# KiCad board Azimuth_PCB (1).kicad_pcb (continued)
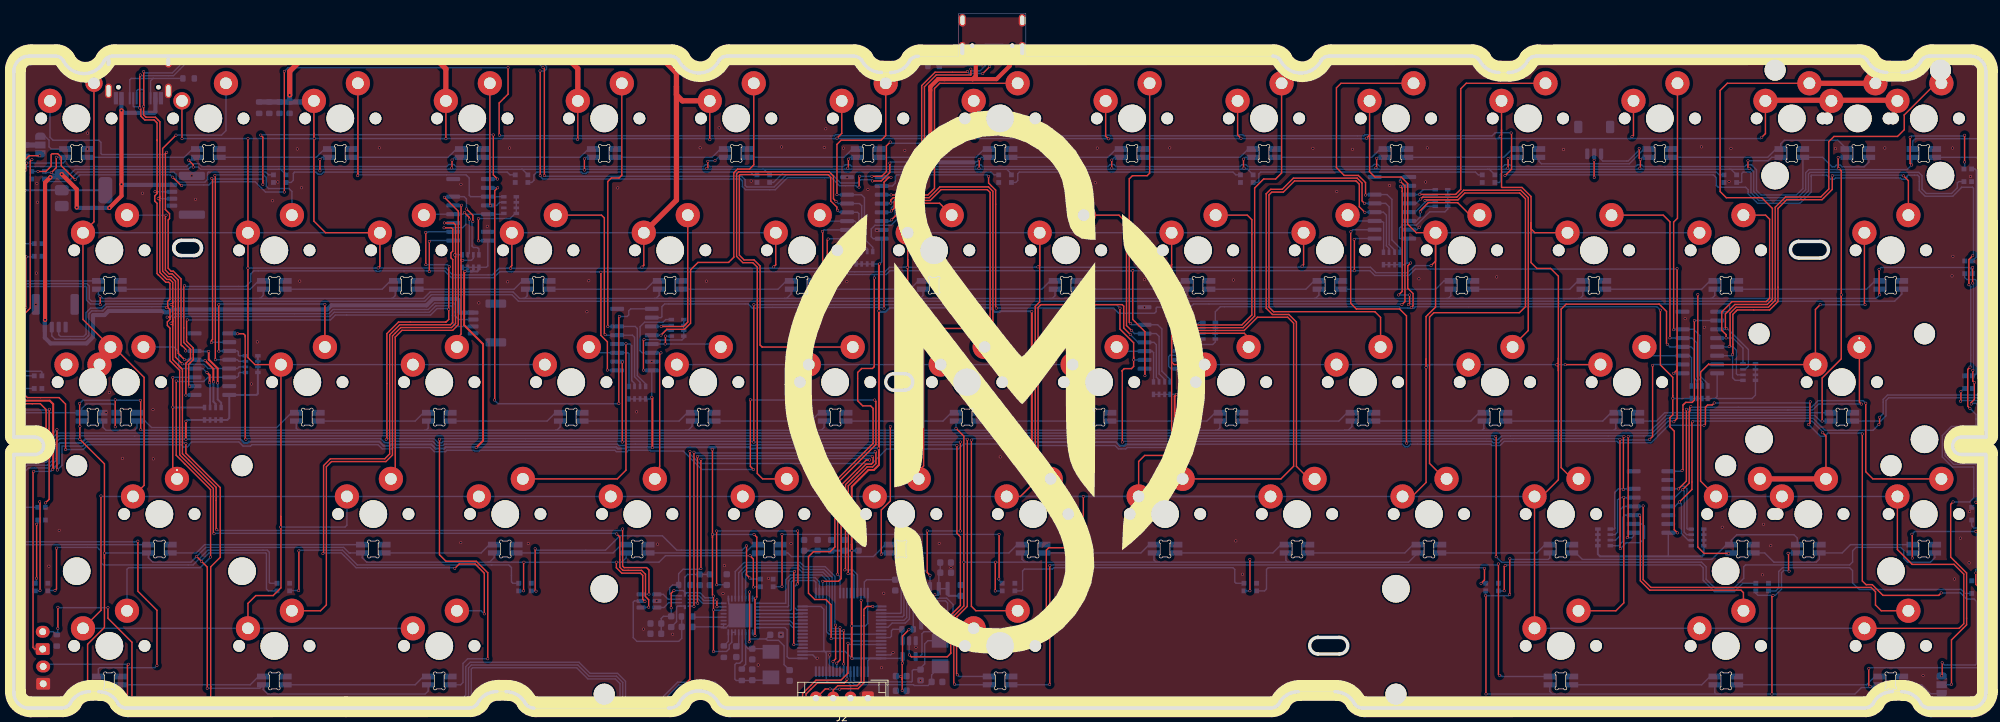
[diagram p0: board, top side]
## Footprints (pads in the part's own frame, mm; a bottom-side part is the same pattern mirrored in y, then rotated) (continued)
  rrect 1.325x0.6 smd: 1(-1.137,0.95) 2(-1.137,0) 3(-1.137,-0.95) 4(1.137,-0.95) 5(1.137,0.95)
SOT-23-6
  rrect 1.325x0.6 smd: 1(-1.137,0.95) 2(-1.137,0) 3(-1.137,-0.95) 4(1.137,-0.95) 5(1.137,0) 6(1.137,0.95)
SOT-223-3_TabPin2
  rrect 2x1.5 smd: 1(-3.15,2.3) 2(-3.15,0) 3(-3.15,-2.3)
  rrect 2x3.8 smd: 2(3.15,0)
UQFN-10
  rrect 0.55x0.25 smd: 1(-0.675,0.75) 4(-0.675,-0.75) 6(0.675,-0.75) 9(0.675,0.75)
  rrect 0.55x0.2 smd: 2(-0.675,0.25) 3(-0.675,-0.25) 7(0.675,-0.25) 8(0.675,0.25)
  rrect 0.3x0.6 smd: 5(0,-0.9) 10(0,0.9)
USB_C_Receptacle_GCT_USB4105-xx-A_16P_TopMnt_Horizontal
  round 0.65 hole 0.65 unplated: (-2.89,2.605) (2.89,2.605)
  rrect 0.6x1.15 smd: A1(-3.2,3.68) A4(-2.4,3.68) A9(2.4,3.68) A12(3.2,3.68) B1(3.2,3.68) B4(2.4,3.68) B9(-2.4,3.68) B12(-3.2,3.68)
  rrect 0.3x1.15 smd: A5(-1.25,3.68) A6(-0.25,3.68) A7(0.25,3.68) A8(1.25,3.68) B5(1.75,3.68) B6(0.75,3.68) B7(-0.75,3.68) B8(-1.75,3.68)
  oval 1x1.8 hole 0.6x1.4: S1(-4.32,-1.075) S1(4.32,-1.075)
  oval 1x2.1 hole 0.6x1.7: S1(-4.32,3.105) S1(4.32,3.105)
USB_C_Receptacle_HRO_TYPE-C-31-M-12
  round 0.65 hole 0.65 unplated: (-2.89,2.6) (2.89,2.6)
  rect 0.6x1.76 smd: A1(-3.25,4.2) A4(-2.45,4.2) B1(3.25,4.2) B4(2.45,4.2)
  rect 0.3x1.76 smd: A5(-1.25,4.2) A6(-0.25,4.2) A7(0.25,4.2) B5(1.75,4.2) B6(0.75,4.2) B7(-0.75,4.2)
  rect 0.6x1.45 smd: A9(2.45,4.045) A12(3.25,4.045) B9(-2.45,4.045) B12(-3.25,4.045)
  oval 1x1.6 hole 0.6x1.2: S1(-4.32,-1.05) S1(4.32,-1.05)
  oval 1x2.1 hole 0.6x1.7: S1(-4.32,3.13) S1(4.32,3.13)

## Nets
+3.3V: C5.1 C6.1 C7.1 C8.1 C9.1 C10.1 C11.1 C12.1 C13.1 C14.1 C15.1 C16.1 C17.1 C18.2 C25.2 J2.2 R2.1 RN1.1 RN1.2 RN1.3 RN1.4 RN2.1 RN2.2 RN2.3 RN2.4 RN3.1 RN3.2 RN3.3 RN3.4 RN4.1 RN4.2 RN4.3 RN4.4 RN5.1 RN5.2 RN5.3 RN5.4 RN6.1 RN6.2 RN6.3 RN6.4 RN7.1 RN7.2 RN7.3 RN7.4 RN8.1 RN8.2 RN8.3 RN8.4 RN9.1 RN9.2 RN9.3 RN9.4 RN10.1 RN10.2 RN10.3 RN10.4 RN11.1 RN11.2 RN11.3 RN11.4 RN12.1 RN12.2 RN12.3 RN12.4 RN13.1 RN13.2 RN13.3 RN13.4 RN14.1 RN14.2 RN14.3 RN14.4 RN15.1 RN15.2 RN15.3 RN15.4 RN16.1 RN16.2 RN16.3 RN16.4 SWboot2.1 U1.1 U1.13 U1.19 U1.32 U1.48 U1.64 U2.5 U3.16 U4.2 U5.10 U7.6 U7.16 U7.25 U7.30 U7.31 U8.3 U8.7 U8.8 U9.16 U10.16 U11.16 U12.16 U13.16 U14.16 U15.16
+5V: C19.2 Drgb1.1 Drgb2.1 Drgb3.1 Drgb4.1 Drgb5.1 Drgb6.1 Drgb7.1 Drgb8.1 Drgb9.1 Drgb10.1 Drgb11.1 Drgb12.1 Drgb13.1 Drgb14.1 Drgb15.1 Drgb16.1 Drgb17.1 Drgb18.1 Drgb19.1 Drgb20.1 Drgb21.1 Drgb22.1 Drgb23.1 Drgb24.1 J1.1 J3.3 J4.A4 J4.A9 J4.B4 J4.B9 J4#2.A4 J4#2.A9 J4#2.B4 J4#2.B9 J5.1 J6.1 R5.1 SW1.6 SW2.6 SW3.6 SW4.6 SW5.6 SW6.6 SW7.6 SW8.6 SW9.6 SW10.6 SW11.6 SW12.6 SW13.6 SW14.6 SW15.6 SW16.6 SW17.6 SW18.6 SW19.6 SW20.6 SW21.6 SW22.6 SW23.6 SW24.6 SW25.6 SW26.6 SW27.6 SW28.6 SW29.6 SW30.6 SW31.6 SW32.6 SW33.6 SW34.6 SW35.6 SW36.6 SW37.6 SW38.6 SW39.6 SW40.6 SW41.6 SW42.6 SW43.6 SW44.6 SW45.6 SW46.6 SW47.6 SW48.6 SW49.6 SW50.6 SW51.6 SW52.6 SW53.6 SW54.6 SW55.6 SW56.6 SW57.6 SW58.6 SW59.6 SW60.6 SW61.6 SW62.6 SW2000.6 SW2001.6 SW2002.6 U4.3 U6.5
GND: C1.2 C2.2 C3.1 C4.1 C5.2 C6.2 C7.2 C8.2 C9.2 C10.2 C11.2 C12.2 C13.2 C14.2 C15.2 C16.2 C17.2 C18.1 C19.1 C20.1 C21.1 C22.2 C23.2 C24.2 C25.1 Drgb1.3 Drgb2.3 Drgb3.3 Drgb4.3 Drgb5.3 Drgb6.3 Drgb7.3 Drgb8.3 Drgb9.3 Drgb10.3 Drgb11.3 Drgb12.3 Drgb13.3 Drgb14.3 Drgb15.3 Drgb16.3 Drgb17.3 Drgb18.3 Drgb19.3 Drgb20.3 Drgb21.3 Drgb22.3 Drgb23.3 Drgb24.3 J1.4 J2.1 J3.1 J4.A1 J4.A12 J4.B1 J4.B12 J4.S1 J4#2.A1 J4#2.A12 J4#2.B1 J4#2.B12 J4#2.S1 J5.4 J6.4 R1.1 R3.2 R4.2 R7.2 R16.1 R17.1 R18.1 R19.1 R20.2 SW1.3 SW2.3 SW3.3 SW4.3 SW5.3 SW6.3 SW7.3 SW8.3 SW9.3 SW10.3 SW11.3 SW12.3 SW13.3 SW14.3 SW15.3 SW16.3 SW17.3 SW18.3 SW19.3 SW20.3 SW21.3 SW22.3 SW23.3 SW24.3 SW25.3 SW26.3 SW27.3 SW28.3 SW29.3 SW30.3 SW31.3 SW32.3 SW33.3 SW34.3 SW35.3 SW36.3 SW37.3 SW38.3 SW39.3 SW40.3 SW41.3 SW42.3 SW43.3 SW44.3 SW45.3 SW46.3 SW47.3 SW48.3 SW49.3 SW50.3 SW51.3 SW52.3 SW53.3 SW54.3 SW55.3 SW56.3 SW57.3 SW58.3 SW59.3 SW60.3 SW61.3 SW62.3 SW2000.3 SW2001.3 SW2002.3 SWboot1.1 U1.12 U1.18 U1.63 U2.3 U3.8 U3.15 U4.1 U5.5 U5.6 U6.2 U7.1 U7.2 U7.9 U7.33 U8.4 U9.8 U9.15 U10.8 U10.15 U11.8 U11.15 U12.8 U12.15 U13.8 U13.15 U14.8 U14.15 U15.8 U15.15
GND1: R16.2 R17.2 R18.2 R19.2 SW1.2 SW2.1 SW3.1 SW4.1 SW5.1 SW6.1 SW7.1 SW8.1 SW9.1 SW10.1 SW11.1 SW12.1 SW13.1 SW14.1 SW15.1 SW16.1 SW17.1 SW18.1 SW19.1 SW20.1 SW21.1 SW22.1 SW23.1 SW24.1 SW25.1 SW26.1 SW27.1 SW28.1 SW29.1 SW30.1 SW31.1 SW32.1 SW33.1 SW34.1 SW35.1 SW36.1 SW37.1 SW38.1 SW39.1 SW40.1 SW41.1 SW42.1 SW43.1 SW44.1 SW45.1 SW46.1 SW47.1 SW48.1 SW49.1 SW50.1 SW51.1 SW52.1 SW53.1 SW54.1 SW55.1 SW56.1 SW57.1 SW58.1 SW59.1 SW60.1 SW61.1 SW62.1 SW2000.1 SW2001.1 SW2002.2
0: RN11.8 SW11.2 U14.6
1: RN1.6 SW2.2 U3.13
2: RN4.8 SW3.2 U9.11
3: RN4.7 SW4.2 U9.12
4: RN6.8 SW5.2 U10.6
5: RN5.6 SW6.2 U10.12
6: RN8.8 SW7.2 U11.6
7: RN7.8 SW8.2 U11.11
8: RN9.8 SW9.2 U12.6
9: RN10.7 SW10.2 U12.12
165_CS: R2.2 U1.58 U2.1
': RN14.5 SW40.2 U15.3
,: RN11.7 SW51.2 U14.5
-: RN12.8 SW12.2 U14.11
.: RN12.6 SW52.2 U14.13
/: RN14.6 SW53.2 U15.4
;: RN12.7 SW39.2 U14.12
=: RN14.8 SW13.2 U15.6
[: RN14.7 SW26.2 U15.5
\: RN13.5 SW28.2 U15.14
]: RN13.8 SW27.2 U15.12
a: RN1.8 SW30.2 U3.11
b: RN7.6 SW48.2 U11.13
backspace: RN13.7 SW14.2 SW2000.2 U15.11
backspace2: RN13.6 SW42.2 U15.13
c: RN5.8 SW46.2 U10.14
cap: RN2.6 SW29.2 U3.4
CLK: U1.21 U7.14
d: RN6.5 SW32.2 U10.3
D+_FS: U1.45 U5.3
D-_FS: U1.44 U5.4
Data0: U1.17 U7.24
Data1: U1.26 U7.23
Data2: U1.27 U7.22
Data3: U1.29 U7.21
Data4: U1.30 U7.20
Data5: U1.33 U7.19
Data6: U1.34 U7.18
Data7: U1.57 U7.17
DIR: U1.10 U7.12
e: RN6.7 SW18.2 U10.5
EEPROM: U1.55 U8.1
enter: RN16.8 SW41.2 U13.11
esc: RN2.8 SW1.1 U3.6
f: RN5.5 SW33.2 U10.13
fn: RN16.7 SW55.2 U13.12
g: RN8.6 SW34.2 U11.4
h: RN7.7 SW35.2 U11.12
i: RN10.8 SW23.2 U12.11
j: RN9.5 SW36.2 U12.3
jump1: JP1.3 JP2.3
k: RN10.5 SW37.2 U12.14
l: RN11.6 SW38.2 U14.4
lalt: RN4.5 SW58.2 U9.13
LATCH: U1.59 U3.1 U9.1 U10.1 U11.1 U12.1 U13.1 U14.1 U15.1
lctrl: RN1.5 SW56.2 U3.14
lshift: RN2.5 SW43.2 U3.3
lwin: RN3.5 SW57.2 U9.3
m: RN10.6 SW50.2 U12.13
matrix: JP1.1 SW1.4
matrix1: JP2.1 SW62.5
MISO: U1.52 U2.4 U8.2
MOSI: U1.53 U8.5
n: RN9.6 SW49.2 U12.4
NXT: U1.11 U7.11
o: RN11.5 SW24.2 U14.3
p: RN12.5 SW25.2 U14.14
q: RN1.7 SW16.2 U3.12
r: RN5.7 SW19.2 U10.11
ralt: RN15.6 SW60.2 U13.5
rctrl: RN15.7 SW62.2 U13.4
RGB: JP1.2 R15.1
rshift: RN16.6 SW54.2 SW2001.2 U13.13
RST: SWboot1.2 U1.7
rwin: RN15.8 SW61.2 U13.3
s: RN3.7 SW31.2 U9.5
SCK: U1.51 U3.2 U8.6 U9.2 U10.2 U11.2 U12.2 U13.2 U14.2 U15.2
space: RN15.5 SW59.2 U13.6
SR_DOUT: U2.2 U3.9
STP: U1.8 U7.13
SWC: J2.4 U1.49
SWD: J2.3 U1.46
t: RN8.5 SW20.2 U11.3
tab: RN2.7 SW15.2 U3.5
u: RN9.7 SW22.2 U12.5
UD: Drgb16.4 J3.2 JP2.2
USB_MUX: R4.1 U1.35 U5.9
v: RN8.7 SW47.2 U11.5
w: RN3.6 SW17.2 U9.4
x: RN6.6 SW45.2 U10.4
y: RN7.5 SW21.2 U11.14
z: RN3.8 SW44.2 U9.6
Net-(C22-Pad1): C22.1 C23.1 U7.15 U7.26
Net-(Drgb1-DIN): Drgb1.4 Drgb16.2
Net-(Drgb1-DOUT): Drgb1.2 Drgb2.4
Net-(Drgb2-DOUT): Drgb2.2 Drgb3.4
Net-(Drgb3-DOUT): Drgb3.2 Drgb4.4
Net-(Drgb4-DOUT): Drgb4.2 Drgb5.4
Net-(Drgb5-DOUT): Drgb5.2 Drgb6.4
Net-(Drgb6-DOUT): Drgb6.2 Drgb7.4
Net-(Drgb7-DOUT): Drgb7.2 Drgb8.4
Net-(Drgb8-DOUT): Drgb8.2 Drgb9.4
Net-(Drgb10-DIN): Drgb9.2 Drgb10.4
Net-(Drgb10-DOUT): Drgb10.2 Drgb11.4
Net-(Drgb11-DOUT): Drgb11.2 Drgb12.4
Net-(Drgb12-DOUT): Drgb12.2 Drgb13.4
Net-(Drgb13-DOUT): Drgb13.2 Drgb14.4
Net-(Drgb14-DOUT): Drgb14.2 Drgb15.4
Net-(Drgb15-DOUT): Drgb15.2 Drgb17.4
Net-(Drgb17-DOUT): Drgb17.2 Drgb18.4
Net-(Drgb18-DOUT): Drgb18.2 Drgb19.4
Net-(Drgb19-DOUT): Drgb19.2 Drgb20.4
Net-(Drgb20-DOUT): Drgb20.2 Drgb21.4
Net-(Drgb21-DOUT): Drgb21.2 Drgb22.4
Net-(Drgb22-DOUT): Drgb22.2 Drgb23.4
Net-(Drgb23-DOUT): Drgb23.2 Drgb24.4
Net-(J1-Pin_2): J1.2 J4.A7 J4.B7 J4#2.A7 J4#2.B7 J5.2 J6.2 U6.4
Net-(J1-Pin_3): J1.3 J4.A6 J4.B6 J4#2.A6 J4#2.B6 J5.3 J6.3 U6.6
Net-(J4-CC1): J4.A5 J4.B5 J4#2.A5 J4#2.B5 R3.1
Net-(R20-Pad1): R20.1
Net-(SW1-DOUT): SW1.5 SW2.4
Net-(SW2-DOUT): SW2.5 SW3.4
Net-(SW3-DOUT): SW3.5 SW4.4
Net-(SW4-DOUT): SW4.5 SW5.4
Net-(SW5-DOUT): SW5.5 SW6.4
Net-(SW6-DOUT): SW6.5 SW7.4
Net-(SW7-DOUT): SW7.5 SW8.4
Net-(SW8-DOUT): SW8.5 SW9.4
Net-(SW10-DIN): SW9.5 SW10.4
Net-(SW10-DOUT): SW10.5 SW11.4
Net-(SW11-DOUT): SW11.5 SW12.4
Net-(SW12-DOUT): SW12.5 SW13.4
Net-(SW13-DOUT): SW13.5 SW14.4 SW2000.4
Net-(SW14-DOUT): SW14.5 SW15.4 SW2000.5
Net-(SW15-DOUT): SW15.5 SW16.4
Net-(SW16-DOUT): SW16.5 SW17.4
Net-(SW17-DOUT): SW17.5 SW18.4
Net-(SW18-DOUT): SW18.5 SW19.4
Net-(SW19-DOUT): SW19.5 SW20.4
Net-(SW20-DOUT): SW20.5 SW21.4
Net-(SW21-DOUT): SW21.5 SW22.4
Net-(SW22-DOUT): SW22.5 SW23.4
Net-(SW23-DOUT): SW23.5 SW24.4
Net-(SW24-DOUT): SW24.5 SW25.4
Net-(SW25-DOUT): SW25.5 SW26.4
Net-(SW26-DOUT): SW26.5 SW27.4
Net-(SW27-DOUT): SW27.5 SW28.4
Net-(SW30-DOUT): SW30.5 SW31.4
Net-(SW31-DOUT): SW31.5 SW32.4
Net-(SW32-DOUT): SW32.5 SW33.4
Net-(SW33-DOUT): SW33.5 SW34.4
Net-(SW34-DOUT): SW34.5 SW35.4
Net-(SW35-DOUT): SW35.5 SW36.4
Net-(SW36-DOUT): SW36.5 SW37.4
Net-(SW37-DOUT): SW37.5 SW38.4
Net-(SW38-DOUT): SW38.5 SW39.4
Net-(SW39-DOUT): SW39.5 SW40.4
Net-(SW40-DOUT): SW40.5 SW41.4
Net-(SW41-DOUT): SW41.5 SW42.4
Net-(SW42-DOUT): SW42.5 SW43.4
Net-(SW43-DOUT): SW43.5 SW44.4
Net-(SW44-DOUT): SW44.5 SW45.4
Net-(SW45-DOUT): SW45.5 SW46.4
Net-(SW46-DOUT): SW46.5 SW47.4
Net-(SW47-DOUT): SW47.5 SW48.4
Net-(SW48-DOUT): SW48.5 SW49.4
Net-(SW49-DOUT): SW49.5 SW50.4
Net-(SW50-DOUT): SW50.5 SW51.4
Net-(SW51-DOUT): SW51.5 SW52.4
Net-(SW52-DOUT): SW52.5 SW53.4
Net-(SW55-DOUT): SW55.5 SW56.4
Net-(SW56-DOUT): SW56.5 SW57.4
Net-(SW57-DOUT): SW57.5 SW58.4
Net-(SW58-DOUT): SW58.5 SW59.4
Net-(SW59-DOUT): SW59.5 SW60.4
Net-(SW60-DOUT): SW60.5 SW61.4
Net-(SW61-DOUT): SW61.5 SW62.4
Net-(SW2001-DIN): SW53.5 SW54.4 SW2001.4
Net-(SW2001-DOUT): SW54.5 SW55.4 SW2001.5
Net-(SW2002-DIN): SW28.5 SW29.4 SW2002.4
Net-(SW2002-DOUT): SW29.5 SW30.4 SW2002.5
Net-(U1-BOOT0): R1.2 SWboot2.2 U1.60
Net-(U1-PC9): R15.2 U1.40
Net-(U1-PH0): C3.2 U1.5 Y1.2
Net-(U1-PH1): C4.2 U1.6 Y1.1
Net-(U1-VCAP_1): C2.1 U1.31
Net-(U1-VCAP_2): C1.1 U1.47
Net-(U3-DS): U3.10 U9.9
Net-(U5-1D+): U5.1 U7.7
Net-(U5-1D-): U5.2 U7.8
Net-(U5-D+): U5.8 U6.1
Net-(U5-D-): U5.7 U6.3
Net-(U7-RBIAS): R7.1 U7.32
Net-(U7-VBUS): R5.2 U7.4
Net-(U7-VDDA1.8): C24.1 U7.29
Net-(U7-XI): C21.2 R6.2 U7.28 Y3.1
Net-(U7-XO): C20.2 R6.1 U7.27 Y3.2
Net-(U10-DS): U10.10 U11.9
Net-(U10-Q7): U9.10 U10.9
Net-(U11-DS): U11.10 U12.9
Net-(U12-DS): U12.10 U14.9
Net-(U13-Q7): U13.9 U15.10
Net-(U14-DS): U14.10 U15.9

Pads without a net: Drgb24 2; J4 A8 B8; RN4 6; RN16 5; SW2002 1; U1 2 3 4 9 14 15 16 20 22 23 24 25 28 41 42 43 50 54 56 61 62; U7 3 5 10; U13 10 14

## Via types
v1: diameter 0.4, hole 0.3, Top to Bottom, 598 vias
v2: diameter 0.6, hole 0.3, Top to Bottom, 11 vias

## Routing (per net, layer and track width the routed paths; a pad name or vN(x,y) marks a point on that pad's centre or on a via; arc(x,y) is an arc through that point)
+3.3V: length 831.6
  Top w0.2: v1(90.98,53.24) 90.89,53.15 v1(90.89,48.83) ; v1(201.65,64.31) 201.23,63.89 201.23,60.64 201.35,60.52 201.37,60.52 202,59.9 202,58.12 v1(201.76,57.88) ; SWboot2.1 3,8.54 2.77,8.77 2.77,34.11 v1(2.86,34.2) ; 120.99,12.37 120.97,12.35 ; 128.25,4.17 128.25,6.45 v1(128.29,6.49) 128.29,10.4 v1(129.22,11.33) ; 128.25,4.17 128.25,4.35 v1(128.03,4.57) ; 128.25,4.17 v1(128.25,2.57) ; 239.49,45.18 239.49,42.38 239.09,41.98 239.09,40.63 239.71,40.01 239.71,25.78 v1(240.17,25.32) ; 239.49,45.18 v1(239.49,44.74) ; 239.49,45.18 239.49,47.8 237.7,49.58 v1(237.7,57.49) ; v1(94.9,14.49) 94.9,16.59 v1(95.3,16.99) ; v1(132.26,14.73) 132.26,15.69 v1(132.96,16.39) ; 100.86,24.67 100.86,37.33 v1(100.83,37.36) ; 100.86,24.67 100.86,16.33 v1(101,16.19) v1(101,14.19) v1(101,8.19) ; 100.86,24.67 v1(100.86,25.11) ; v1(107,10.49) 107,15.79 v1(107.1,15.89) 107.26,16.05 107.26,24.7 v1(106.86,25.1) ; v1(67.09,67.51) 67.07,67.53 v1(67.07,70.71)
  Top w0.283: v1(24.85,41.45) 24.84,41.44 v1(24.84,38.84) ; v1(125,64.17) 124.89,64.06 v1(124.89,57.38) 124.89,38.97 ; v1(92.1,44.9) 92.19,44.81 v1(92.19,37.64) ; v1(66.75,37.64) 67.74,38.63 67.74,52.59 65,55.33 65,62.96 v1(65.14,63.09) ; 120.97,23.65 v1(120.97,11.87) 120.97,7.22 v1(120.99,7.2) ; 120.97,23.65 v1(120.97,22.76) ; 120.97,23.65 120.97,32 123.37,34.41 124.15,34.41 124.89,35.14 124.89,38.97 ; v1(5.6,34.49) 5.68,34.57 5.68,43.93 5.19,44.42 1.68,44.42 1.17,44.92 1.17,74.36 v1(1.61,74.79) ; 124.89,38.97 124.89,37.59 v1(124.84,37.54) ; v1(167.86,45.33) 167.59,45.06 167.59,38.1 v1(167.64,38.04) ; v1(146.96,57.29) v1(146.96,38.44)
  Bottom w0.2: U1.48 123.28,12.23 122.93,11.87 v1(120.97,11.87) ; v1(90.98,53.24) 93.26,53.24 93.31,53.19 96.46,53.19 96.72,53.45 RN5.4 RN5.1 ; RN4.1 RN4.4 72.39,71.47 71.65,70.73 67.09,70.73 v1(67.07,70.71) ; v1(2.86,34.2) 5.31,34.2 v1(5.6,34.49) ; RN6.4 RN6.1 91.87,44.67 v1(92.1,44.9) U10.16 90.92,48.8 v1(90.89,48.83) ; v1(128.25,2.57) 128.3,2.52 C6.1 ; U5.10 97.15,16.67 99.05,16.67 99.78,15.94 100.75,15.94 v1(101,16.19) ; U5.10 96.87,18.93 97.26,19.32 C7.1 100.48,19.32 C8.1 ; U5.10 96.87,16.72 96.6,16.99 v1(95.3,16.99) ; 133.53,17.27 133.53,19.36 C15.1 133.74,19.58 C25.2 ; 133.53,17.27 133.45,17.18 133.45,16.29 133.06,16.29 v1(132.96,16.39) ; 133.53,17.27 134.8,17.27 ; 117.06,8.19 116.66,8.19 ; 117.06,8.19 116.93,8.31 116.93,14.28 116.52,14.69 U1.32 ; 117.06,8.19 117.28,7.96 U1.13 117.28,3.95 117.53,3.71 120.44,3.71 120.79,3.37 J2.2 ; 116.66,8.19 120,8.19 v1(120.99,7.2) ; 116.66,8.19 U1.19 ; U7.30 U7.31 103.65,9.52 103.27,9.14 103.27,8.58 102.88,8.19 v1(101,8.19) ; U7.16 106.71,15.89 v1(107.1,15.89) ; v1(65.14,63.09) 64.74,63.49 RN3.4 RN3.1 ; RN11.4 RN11.1 200.87,64.06 201.13,64.32 ; RN7.1 RN7.4 130.13,71.83 129.89,71.59 128.01,71.59 127.62,71.2 127.62,70.73 126.64,69.76 124.32,69.76 123.79,69.23 123.79,68.1 124.07,67.82 U11.16 125.29,64.46 v1(125,64.17) RN8.1 RN8.4 ; v1(100.86,25.11) 100.88,25.09 106.85,25.09 v1(106.86,25.1) ; 201.21,57.79 201.67,57.79 v1(201.76,57.88) ; 201.21,57.79 200.18,57.79 199.98,57.99 174.17,57.99 173.46,57.27 RN10.1 RN10.4 173.46,52.91 173.08,52.53 170.83,52.53 169.77,51.47 169.77,51.46 169.28,50.97 166.95,50.97 166.93,50.99 166.72,50.78 166.72,49.38 167.07,49.03 U12.16 168.24,45.61 167.96,45.33 v1(167.86,45.33) RN9.1 RN9.4 ; 201.21,57.79 202.12,57.79 202.32,57.99 237.2,57.99 v1(237.7,57.49) ; 201.13,64.32 201.13,67.52 U14.16 200.1,67.84 200.04,67.9 200.04,69.34 200.48,69.78 202.49,69.78 204.41,71.7 206.6,71.7 207.01,72.11 RN12.4 RN12.1 ; 201.13,64.32 201.14,64.31 v1(201.65,64.31) ; v1(129.22,11.33) 129.28,11.39 R2.1 129.85,14.64 130.2,14.99 132,14.99 v1(132.26,14.73) 132.26,12.32 ; U7.25 106.65,10.84 v1(107,10.49) ; 100.88,37.7 100.88,37.41 v1(100.83,37.36) ; v1(240.17,25.32) 238.86,25.32 U13.16 238.85,21.94 238.86,21.93 ; 245.6,44.73 250.94,44.73 251.43,45.22 RN13.4 RN13.1 ; 245.6,44.73 RN14.1 RN14.4 239.72,44.73 239.71,44.74 v1(239.49,44.74) ; 245.6,44.73 245.9,45.03 U15.16 ; v1(128.03,4.57) 127.39,4.57 C5.1 ; U7.6 101.05,14.14 v1(101,14.19) ; 66.95,63.12 67.14,63.31 RN3.1 ; RN3.1 68.23,63.69 68.43,63.89 U9.16 68.39,67.51 v1(67.09,67.51) ; C11.1 93.46,10.76 93.46,12.96 93.77,13.27 C18.2 v1(94.9,14.49) ; v1(128.29,6.49) 128.29,7.44 U2.5 128.03,7.19 U1.64 123.6,7.19 123.28,6.88 U1.1
  Bottom w0.283: C13.1 114.08,22.75 C17.1 C14.1 C10.1 119.97,22.76 v1(120.97,22.76) C9.1 ; 91.43,37.7 100.56,37.7 ; 91.43,37.7 92.13,37.7 v1(92.19,37.64) ; 91.43,37.7 88.56,37.7 88.36,37.5 87.16,37.5 86.96,37.7 66.35,37.7 ; 100.56,37.7 101.36,37.7 ; 100.56,37.7 100.56,37.63 v1(100.83,37.36) 101.16,37.7 101.36,37.7 ; C16.1 134.97,16.23 134.8,16.4 134.8,17.27 ; 23.94,38.9 24.78,38.9 v1(24.84,38.84) ; 23.94,38.9 10.35,38.9 9.75,38.3 6.64,38.3 6.52,38.17 6.52,35.41 v1(5.6,34.49) ; 23.94,38.9 32.67,38.9 33.27,38.3 33.72,38.3 33.92,38.5 52.77,38.5 53.37,37.9 54.28,37.9 54.48,38.1 60.29,38.1 60.89,37.5 62.12,37.5 62.32,37.7 66.35,37.7 ; 65.97,63.09 v1(65.14,63.09) 65.54,63.49 RN3.3 ; 65.97,63.09 66.92,63.09 66.95,63.12 ; 65.97,63.09 66.13,63.09 66.34,63.3 RN3.2 ; v1(124.84,37.54) 124.78,37.6 107.76,37.6 107.8,37.6 107.32,37.6 107.22,37.5 106.37,37.5 106.17,37.7 101.36,37.7 ; RN15.4 RN15.3 RN15.2 RN15.1 228.68,22.24 228.99,21.93 243.71,21.93 243.97,22.19 RN16.4 RN16.1 ; 66.35,37.7 66.75,37.7 v1(66.75,37.64) ; U4.2 U4.2 1.65,74.83 v1(1.61,74.79) ; v1(146.96,57.29) 146.9,57.35 142.41,57.35 142.31,57.25 141.61,57.25 141.01,57.85 126.45,57.85 125.85,57.25 125.02,57.25 v1(124.89,57.38) ; v1(146.96,38.44) 159.11,38.44 159.65,37.9 160.34,37.9 160.54,38.1 167.59,38.1 v1(167.64,38.04) ; v1(120.99,7.2) 121.22,7.2 121.23,7.19 U1.64 ; v1(24.85,41.45) 25.03,41.63 RN2.4 RN2.1 30.82,41.63 31.1,41.91 U3.16 35.04,45.25 35.23,45.44 RN1.4 RN1.1
+5V: length 1919.5
  Top w0.2: v1(250.52,77.99) 250.35,78.16 v1(250.35,79.07) ; v1(18.31,40.24) 18.31,44.42 v1(18.26,44.47) ; v1(273.99,78.46) 273.76,78.69 v1(273.76,82.47) ; v1(3.73,29.81) 3.79,29.75 v1(3.79,17) ; v1(178.45,16.95) 178.45,21.48 v1(178.44,21.49) ; v1(256.29,19.79) 256.21,19.87 256.21,22.31 v1(256.14,22.38) ; v1(283.25,25.52) 283.71,25.98 283.71,28.35 ; v1(12.47,58.29) 12.47,59.43 v1(12.43,59.46) ; v1(267.97,3.15) 267.79,3.33 v1(267.79,5.72) ; v1(283.64,17.49) 283.25,17.88 v1(283.25,19.51) ; v1(282.78,63.66) 282.78,61.42 v1(282.79,61.41) ; v1(215.97,21.59) 215.97,16.45 v1(215.94,16.42) ; v1(5.42,77.37) 6.13,78.08 v1(6.13,79.59) ; v1(215.72,79.4) 215.72,78.07 v1(215.67,78.02) ; v1(91.11,15.41) 90.79,15.73 90.79,19.18 90.46,19.5 87.76,19.5 86.99,20.28 v1(86.99,21.09) ; v1(243.11,59.75) 243.11,23.27 244.02,22.36 v1(247.57,22.36) ; v1(106.28,22.02) 106.76,21.54 v1(106.76,17.5) ; v1(100.04,77.99) 100.19,78.14 v1(100.19,78.99) ; v1(82.37,79.35) 82.37,77.75 v1(82.38,77.74) ; v1(274.02,25.13) 274.07,25.08 v1(274.07,21.68) ; v1(281.62,78.9) 281.62,82.74 v1(281.64,82.76) ; 283.71,28.35 283.71,28.01 v1(283.78,27.94) ; 283.71,28.35 283.71,29.29 v1(283.25,29.75) ; 263.82,58.79 v1(263.82,59.71) ; 263.82,58.79 263.82,50.46 261.06,47.7 v1(261.06,41.47) ; 263.82,58.79 263.82,77.62 v1(263.48,77.95) 263.37,78.07 v1(263.37,79.54) ; v1(196.64,78.06) 196.74,78.16 v1(196.74,79.43) ; v1(73.59,16.95) 73.59,21.04 v1(73.64,21.09) ; v1(141.73,21.09) 141.68,21.04 v1(141.68,16.93) ; v1(177.52,79.31) 177.52,78.1 v1(177.6,78.02) ; v1(212.53,2.05) 212.53,16.19 v1(212.47,16.25) ; v1(10.65,3.37) 10.65,9.23 13.08,11.66 13.08,21.62 ; v1(14.64,44.54) v1(14.64,40.64) ; v1(126.54,40.68) 126.54,29.94 125.23,28.63 v1(125.23,22.23) ; v1(44.19,79.28) v1(44.19,77.62) ; v1(253.81,2.04) 253.81,16.13 v1(253.97,16.29) ; v1(25.23,79.17) 25.91,78.49 v1(25.91,78.16) ; v1(135.8,3.47) 135.7,3.57 135.7,13.32 137.15,14.77 v1(137.15,21.09) 137.15,39.29 v1(136.02,40.42) ; v1(1.86,78.74) 1.73,78.61 v1(1.73,77.74) ; v1(234.74,78) 234.82,78.08 v1(234.82,79.28) 234.65,79.45 v1(234.65,80.84) ; v1(26.39,21.91) 27.92,20.38 v1(27.92,2.87) ; v1(9.5,44.01) 9.5,40.74 v1(9.54,40.7) 9.53,40.69 v1(9.53,38.84) 13.08,35.29 13.08,21.62 ; v1(139.37,79.26) 139.37,78.04 v1(139.33,78) ; v1(120.39,78.01) 120.48,78.1 v1(120.48,79.31) ; v1(158.51,78.03) 158.5,78.05 v1(158.5,79.17) ; 13.08,21.62 v1(13.08,22.39) ; v1(63.26,79.18) 63.26,78.1 v1(63.19,78.04) ; v1(269.37,59.71) 269.28,59.8 v1(269.28,63.37) ; v1(282.81,48.8) 282.81,47.26 v1(283.03,47.04) 283.03,44.6 282.58,44.15 v1(282.58,43.93)
  Top w0.6: v2(13.79,72.26) 15.54,74.01 v2(15.54,75.68) v2(15.54,86.34) ; v2(6.92,77.13) 9.08,74.97 v2(9.08,72.34) ; v2(5.26,76.68) 4.51,75.93 v2(4.51,56.1) ; v2(138.87,93.47) 138.87,91.31 138.43,90.87 138.4,90.87 ; v2(132.22,78.85) 132.31,78.94 132.31,89.77 133.41,90.87 138.4,90.87 ; v2(143.75,93.5) 143.75,92.75 141.87,90.87 138.4,90.87
  Bottom w0.2: J3.3 229.15,79.28 229.39,79.04 233.05,79.04 234.65,80.64 v1(234.65,80.84) ; SW37.6 174.12,40.5 173.75,40.14 173.52,40.14 ; SW22.6 150.3,59.58 149.91,59.19 149.57,59.19 ; SW7.6 120.74,79.57 v1(120.48,79.31) ; v1(27.92,2.87) 35.5,2.87 SW57.6 36,2.69 36.65,2.04 59.37,2.04 59.82,2.48 SW58.6 ; 12.28,59.72 12.19,59.81 SW15.6 ; 12.28,59.72 12.43,59.56 v1(12.43,59.46) 12.54,59.46 12.81,59.19 ; 12.28,59.72 12.81,59.19 ; 158.96,77.84 158.7,77.84 v1(158.51,78.03) ; 158.96,77.84 177.21,77.84 ; 158.96,77.84 158.49,77.84 ; 187.74,59.19 206.86,59.19 ; 187.74,59.19 187.92,59.19 188.4,59.67 SW24.6 ; 187.74,59.19 168.63,59.19 ; 206.86,59.19 207.06,59.19 207.45,59.58 SW25.6 ; 206.86,59.19 225.88,59.19 ; 41.45,40.14 59.32,40.14 ; 41.45,40.14 18.41,40.14 v1(18.31,40.24) ; 41.45,40.14 41.06,40.14 40.77,40.43 SW30.6 ; 59.32,40.14 59.5,40.14 59.82,40.45 SW31.6 ; 59.32,40.14 78.2,40.14 ; SW2000.6 263.4,79.57 v1(263.37,79.54) ; 121.03,77.84 120.56,77.84 v1(120.39,78.01) ; 121.03,77.84 120.37,77.84 ; 121.03,77.84 138.76,77.84 ; SW60.6 221.74,2.42 222.12,2.04 222.46,2.04 ; v1(139.33,78) 139.49,77.84 140.18,77.84 ; v1(139.33,78) 139.17,77.84 138.76,77.84 ; v1(139.33,78) 139.33,77.86 139.32,77.84 ; 44.18,77.84 44.19,77.83 v1(44.19,77.62) ; 44.18,77.84 62.67,77.84 ; 44.18,77.84 38.23,77.84 ; 73.53,59.19 92.48,59.19 ; 73.53,59.19 73.01,59.19 72.07,60.12 60.1,60.12 59.17,59.19 54.48,59.19 ; 73.53,59.19 73.73,59.19 74.1,59.56 SW18.6 ; 92.48,59.19 92.71,59.19 93.15,59.63 SW19.6 ; 92.48,59.19 111.25,59.19 ; v1(82.37,79.35) 82.59,79.57 SW5.6 ; 12.81,59.19 14.52,59.19 14.54,59.2 35.48,59.2 ; 99.46,77.84 100.04,77.84 ; 99.46,77.84 82.8,77.84 ; 99.46,77.84 99.88,77.84 v1(100.04,77.99) ; 100.04,77.84 100.7,77.84 ; 100.04,77.84 v1(100.04,77.99) ; SW38.6 193.17,40.68 192.62,40.14 192.11,40.14 ; SW2002.6 9.54,41.2 v1(9.54,40.7) ; 54.48,59.19 54.65,59.19 55.05,59.59 SW17.6 ; 54.48,59.19 35.49,59.19 35.48,59.2 ; 87.65,21.09 87.77,21.09 88.39,21.71 SW46.6 ; 87.65,21.09 v1(73.64,21.09) 68.46,21.09 ; 87.65,21.09 93.14,21.09 94.08,22.02 v1(106.28,22.02) 107.04,22.02 SW47.6 ; 215.26,77.84 216.2,77.84 ; 215.26,77.84 212.72,77.84 ; 215.26,77.84 215.48,77.84 v1(215.67,78.02) 215.85,77.84 216.2,77.84 ; 216.2,77.84 234.33,77.84 ; SW3.6 44.48,79.57 v1(44.19,79.28) ; 211.96,40.14 231,40.14 ; 211.96,40.14 192.11,40.14 ; 211.96,40.14 212.22,40.39 SW39.6 ; 231,40.14 236.36,40.14 238.49,42.27 260,42.27 260.8,41.47 v1(261.06,41.47) SW41.6 ; 231,40.14 231.27,40.4 SW40.6 ; 154.23,40.14 173.52,40.14 ; 154.23,40.14 154.48,40.14 155.07,40.72 SW36.6 ; 154.23,40.14 135.46,40.14 ; 173.52,40.14 192.11,40.14 ; 149.57,59.19 130.56,59.19 ; 149.57,59.19 168.63,59.19 ; 119.88,77.84 120.22,77.84 v1(120.39,78.01) ; 119.88,77.84 108.11,77.84 ; 119.88,77.84 120.37,77.84 ; Drgb6.1 213.01,77.84 212.72,77.84 ; 263.1,77.8 259.14,77.8 258.68,77.34 258.68,74.9 257.52,73.74 252.07,73.74 251.18,74.64 251.18,77.48 251.04,77.62 ; 263.1,77.8 263.33,77.8 v1(263.48,77.95) ; 263.1,77.8 264.14,77.8 ; 212.48,16.94 212.47,16.93 v1(212.47,16.25) 215.77,16.25 v1(215.94,16.42) ; SW16.6 36,59.62 35.59,59.2 35.48,59.2 ; 264.14,77.8 273.33,77.8 v1(273.99,78.46) 273.99,79.43 SW42.6 ; 264.14,77.8 263.63,77.8 v1(263.48,77.95) ; 111.25,59.19 111.56,59.19 112.2,59.83 SW20.6 ; 111.25,59.19 130.56,59.19 ; 73.26,77.84 73.41,77.84 Drgb2.1 ; 73.26,77.84 63.82,77.84 ; 73.26,77.84 81.76,77.84 ; 116.36,40.14 116.55,40.14 116.97,40.55 SW34.6 ; 116.36,40.14 126.56,40.14 ; 116.36,40.14 97.02,40.14 ; 138.58,78.85 138.68,78.95 139.06,78.95 v1(139.37,79.26) 139.68,79.57 SW8.6 ; 178.43,21.09 178.44,21.1 v1(178.44,21.49) ; 178.43,21.09 165.38,21.09 ; 178.43,21.09 184.33,21.09 ; v1(126.54,40.68) 126.54,40.16 126.56,40.14 ; v1(6.13,79.59) 6.14,79.57 SW1.6 7.43,79.04 7.12,78.74 v1(1.86,78.74) ; 183.64,22.42 183.64,21.34 183.89,21.09 184.33,21.09 ; 235.08,77.84 234.9,77.84 v1(234.74,78) 234.57,77.84 234.33,77.84 ; 235.08,77.84 247.63,77.84 ; 235.08,77.84 234.33,77.84 ; SW21.6 131.25,59.6 130.84,59.19 130.56,59.19 ; v1(100.19,78.99) 100.28,79.08 v1(101.22,79.08) 101.71,79.57 SW6.6 ; SW35.6 v1(136.02,40.42) 135.73,40.14 135.46,40.14 ; v1(106.76,17.5) 106.8,17.54 Drgb18.1 ; 15.31,44.48 14.7,44.48 v1(14.64,44.54) ; 15.31,44.48 9.97,44.48 v1(9.5,44.01) ; 15.31,44.48 18.25,44.48 v1(18.26,44.47) ; 212.72,77.84 197.01,77.84 ; 81.76,77.84 82.8,77.84 ; 81.76,77.84 82.28,77.84 v1(82.38,77.74) 82.48,77.84 82.8,77.84 ; v1(158.5,79.17) 158.9,79.57 SW9.6 ; 120.37,77.84 120.39,77.86 v1(120.39,78.01) ; v1(177.6,78.02) 177.78,77.84 178.11,77.84 ; v1(177.6,78.02) 177.42,77.84 177.21,77.84 ; v1(177.6,78.02) 177.72,77.9 177.72,77.84 ; 138.76,77.84 139.32,77.84 ; 197.01,77.84 196.86,77.84 v1(196.64,78.06) ; 197.01,77.84 196.62,77.84 ; SW52.6 201.36,21.09 184.33,21.09 ; 38.23,77.84 38.51,77.84 Drgb1.1 ; 38.23,77.84 26.96,77.84 26.63,78.16 v1(25.91,78.16) 25.83,78.24 25.57,78.24 25.16,77.84 8.82,77.84 8.12,77.13 v2(6.92,77.13) 5.66,77.13 v1(5.42,77.37) 4.58,77.37 4.41,77.54 ; 178.11,77.84 Drgb5.1 ; 178.11,77.84 177.87,77.84 ; 63.82,77.84 63.4,77.84 v1(63.19,78.04) ; 63.82,77.84 62.67,77.84 ; v1(250.52,77.99) 250.52,77.98 250.66,77.84 ; v1(250.52,77.99) 250.67,77.99 251.04,77.62 ; v1(250.52,77.99) 250.37,77.84 250.28,77.84 ; SW2.6 26.08,79.17 v1(25.23,79.17) ; 62.67,77.84 62.99,77.84 v1(63.19,78.04) ; 97.02,40.14 97.34,40.14 97.92,40.71 SW33.6 ; 97.02,40.14 78.2,40.14 ; SW45.6 69.34,21.75 68.68,21.09 68.46,21.09 ; v1(282.78,63.66) 282.75,63.63 Drgb9.1 282.75,63.26 282.35,63.66 269.57,63.66 v1(269.28,63.37) ; SW4.6 63.65,79.57 v1(63.26,79.18) ; v1(177.52,79.31) 177.78,79.57 SW10.6 ; 100.7,77.84 108.11,77.84 ; 100.7,77.84 100.19,77.84 v1(100.04,77.99) ; v1(263.48,77.95) 263.48,77.8 263.59,77.8 ; v1(263.82,59.71) 263.82,59.21 263.84,59.19 ; 135.46,40.14 126.56,40.14 ; 177.21,77.84 177.72,77.84 ; SW61.6 245.55,2.23 245.75,2.04 246.4,2.04 ; v1(63.19,78.04) 63.18,78.02 63.18,77.84 ; 146.37,21.09 v1(141.73,21.09) 137.15,21.09 v1(137.15,21.09) ; 146.37,21.09 165.38,21.09 ; 146.37,21.09 145.95,21.09 145.54,21.5 SW49.6 ; v1(73.59,16.95) 73.58,16.94 Drgb19.1 ; SW14.6 253.76,79.57 253.26,79.07 v1(250.35,79.07) ; v1(283.03,47.04) 283.03,46.46 Drgb10.1 ; 78.2,40.14 78.38,40.14 78.87,40.62 SW32.6 ; v1(281.62,78.9) 281.63,78.89 281.63,77.9 ; 250.66,77.84 250.82,77.84 251.04,77.62 ; 250.66,77.84 250.28,77.84 ; v1(158.51,78.03) 158.32,77.84 158.3,77.84 ; v1(158.51,78.03) 158.51,77.86 158.49,77.84 ; v1(196.64,78.06) 196.64,77.86 196.62,77.84 ; v1(196.64,78.06) 196.42,77.84 196.36,77.84 ; v1(9.53,38.84) 9.43,38.94 6.65,38.94 6.08,38.37 6.08,35.77 5.01,34.7 2.13,34.7 1.53,34.1 1.53,29.12 1.64,29.01 Drgb22.1 3.73,29.29 v1(3.73,29.81) ; 246.4,2.04 v1(253.81,2.04) 265.79,2.04 266.73,2.97 268.97,2.97 SW62.6 269.14,3.15 v1(267.97,3.15) ; 246.4,2.04 222.46,2.04 ; SW26.6 226.5,59.59 226.1,59.19 225.88,59.19 ; 140.18,77.84 139.32,77.84 ; 140.18,77.84 143.23,77.84 ; v1(91.11,15.41) 91.03,15.49 U6.5 89.59,15.49 89.42,15.32 89.42,10.18 89.95,9.65 95.99,9.65 96.42,10.09 C19.2 96.42,13.19 96.37,13.24 ; SW29.6 14.64,41.34 v1(14.64,40.64) ; v1(135.8,3.47) 135.89,3.38 SW59.6 ; v1(178.45,16.95) 178.44,16.94 177.58,16.94 ; SW28.6 v1(269.37,59.71) 268.84,59.19 263.84,59.19 ; 108.11,77.84 108.31,77.84 Drgb3.1 ; 245,59.19 245.14,59.19 245.55,59.6 SW27.6 ; 245,59.19 243.11,59.19 ; 245,59.19 263.84,59.19 ; Drgb4.1 144.01,77.18 143.35,77.84 143.23,77.84 ; 222.46,2.04 212.54,2.04 v1(212.53,2.05) ; v1(283.25,29.75) 283.35,29.85 283.35,35.08 283.19,35.23 280.03,35.23 278.81,36.46 278.81,39.22 279.89,40.3 283.21,40.3 283.67,40.76 283.67,43.68 283.31,44.03 282.68,44.03 v1(282.58,43.93) ; 251.48,16.94 251.48,16.61 251.8,16.29 v1(253.97,16.29) 254.29,16.29 255.19,17.19 255.19,19.58 255.5,19.89 256.2,19.89 256.29,19.8 v1(256.29,19.79) ; v1(12.47,58.29) 12.37,58.39 11.04,58.39 10.5,58.94 10.5,60.8 10.37,60.92 1.37,60.92 1.2,60.75 1.2,48.29 1.48,48.01 Drgb23.1 ; Drgb11.1 283.75,27.91 v1(283.78,27.94) ; v1(283.25,19.51) 283.25,19.98 283.35,20.08 283.35,25.42 v1(283.25,25.52) 274.41,25.52 v1(274.02,25.13) ; SW12.6 215.89,79.57 v1(215.72,79.4) ; 68.46,21.09 50.94,21.09 50.29,21.74 SW44.6 48.57,22.42 48.56,22.41 48.42,22.41 47.6,23.22 27.7,23.22 v1(26.39,21.91) 25.57,21.09 20.06,21.09 19.41,21.74 SW43.6 13.41,22.42 13.38,22.39 v1(13.08,22.39) ; 243.11,59.19 v1(243.11,59.75) ; 243.11,59.19 225.88,59.19 ; 168.63,59.19 168.9,59.19 169.35,59.64 SW23.6 ; 250.28,77.84 247.63,77.84 ; 165.38,21.09 164.91,21.09 164.59,21.41 SW50.6 ; 177.87,77.84 177.72,77.84 ; 177.87,77.84 196.36,77.84 ; v1(281.64,82.76) 281.54,82.66 273.95,82.66 v1(273.76,82.47) ; 196.62,77.84 196.36,77.84 ; SW48.6 125.42,22.42 v1(125.23,22.23) ; 247.63,77.84 247.91,77.84 248.71,77.04 ; v1(274.07,21.68) 274.13,21.74 SW55.6 ; SW56.6 10.65,3.37 v1(10.65,3.37) ; v1(282.79,61.41) 282.91,61.41 282.91,61.41 282.91,48.9 v1(282.81,48.8) ; 158.49,77.84 158.3,77.84 ; SW54.6 247.63,22.42 v1(247.57,22.36) ; Drgb17.1 141.69,16.94 v1(141.68,16.93) ; SW53.6 221.74,21.71 221.53,21.49 216.07,21.49 v1(215.97,21.59) ; v1(256.14,22.38) 256.18,22.42 SW2001.6 ; v1(3.79,17) 3.73,16.94 Drgb21.1 ; SW13.6 235.11,79.57 v1(234.82,79.28) ; Drgb24.1 1.31,67.11 1.11,67.31 1.11,77.62 1.26,77.77 1.69,77.77 v1(1.73,77.74) ; 143.23,77.84 158.3,77.84 ; v1(267.79,5.72) 267.91,5.84 283.39,5.84 283.75,6.2 Drgb12.1 283.64,16.69 v1(283.64,17.49) ; Drgb20.1 36.74,16.94 36.47,17.21 36.47,22.32 36.36,22.42 28.18,22.42 27.09,21.34 v1(27.09,21.2) ; v1(196.74,79.43) 196.88,79.57 SW11.6
  Bottom w0.6: v2(138.87,93.47) 138.86,93.48 J4.A4 ; J6.1 64.41,57.14 64.29,57.26 64.29,58.85 64.01,59.12 60.51,59.12 59.58,58.19 45.83,58.19 45.23,57.59 22.77,57.59 22.37,57.19 21.74,57.19 21.54,57.39 13.69,57.39 13.09,56.79 11.49,56.79 11.43,56.73 11.43,53.62 10.49,52.69 5.3,52.69 4.48,53.51 J5.1 4.48,56.07 v2(4.51,56.1) ; v2(132.22,78.85) 138.58,78.85 ; v2(6.92,77.13) 6.47,76.68 v2(5.26,76.68) ; J4#2.A4 v2(15.54,86.34) 15.88,86 20.27,86 20.44,86.17 J4#2.B4 ; v2(15.54,75.68) 15.63,75.59 J1.1 ; v2(13.79,72.26) 9.16,72.26 v2(9.08,72.34) ; v2(143.75,93.5) 143.66,93.59 J4.A9
